# Altium PCB UHF Transceiver PCB.PcbDoc (part 5 of 5)
Units mil, origin at the board's own origin, x right, y up, seen from the top; angles counter-clockwise.
Board outline 3450 x 3675 mil, 4 copper layers (Component Side, GND, +3V3, Solder Side), stack 61.849 mil thick; 297 components, 243 nets, 1002 pads, 800 vias.
Unrouted connection lines stored in the file: 203.
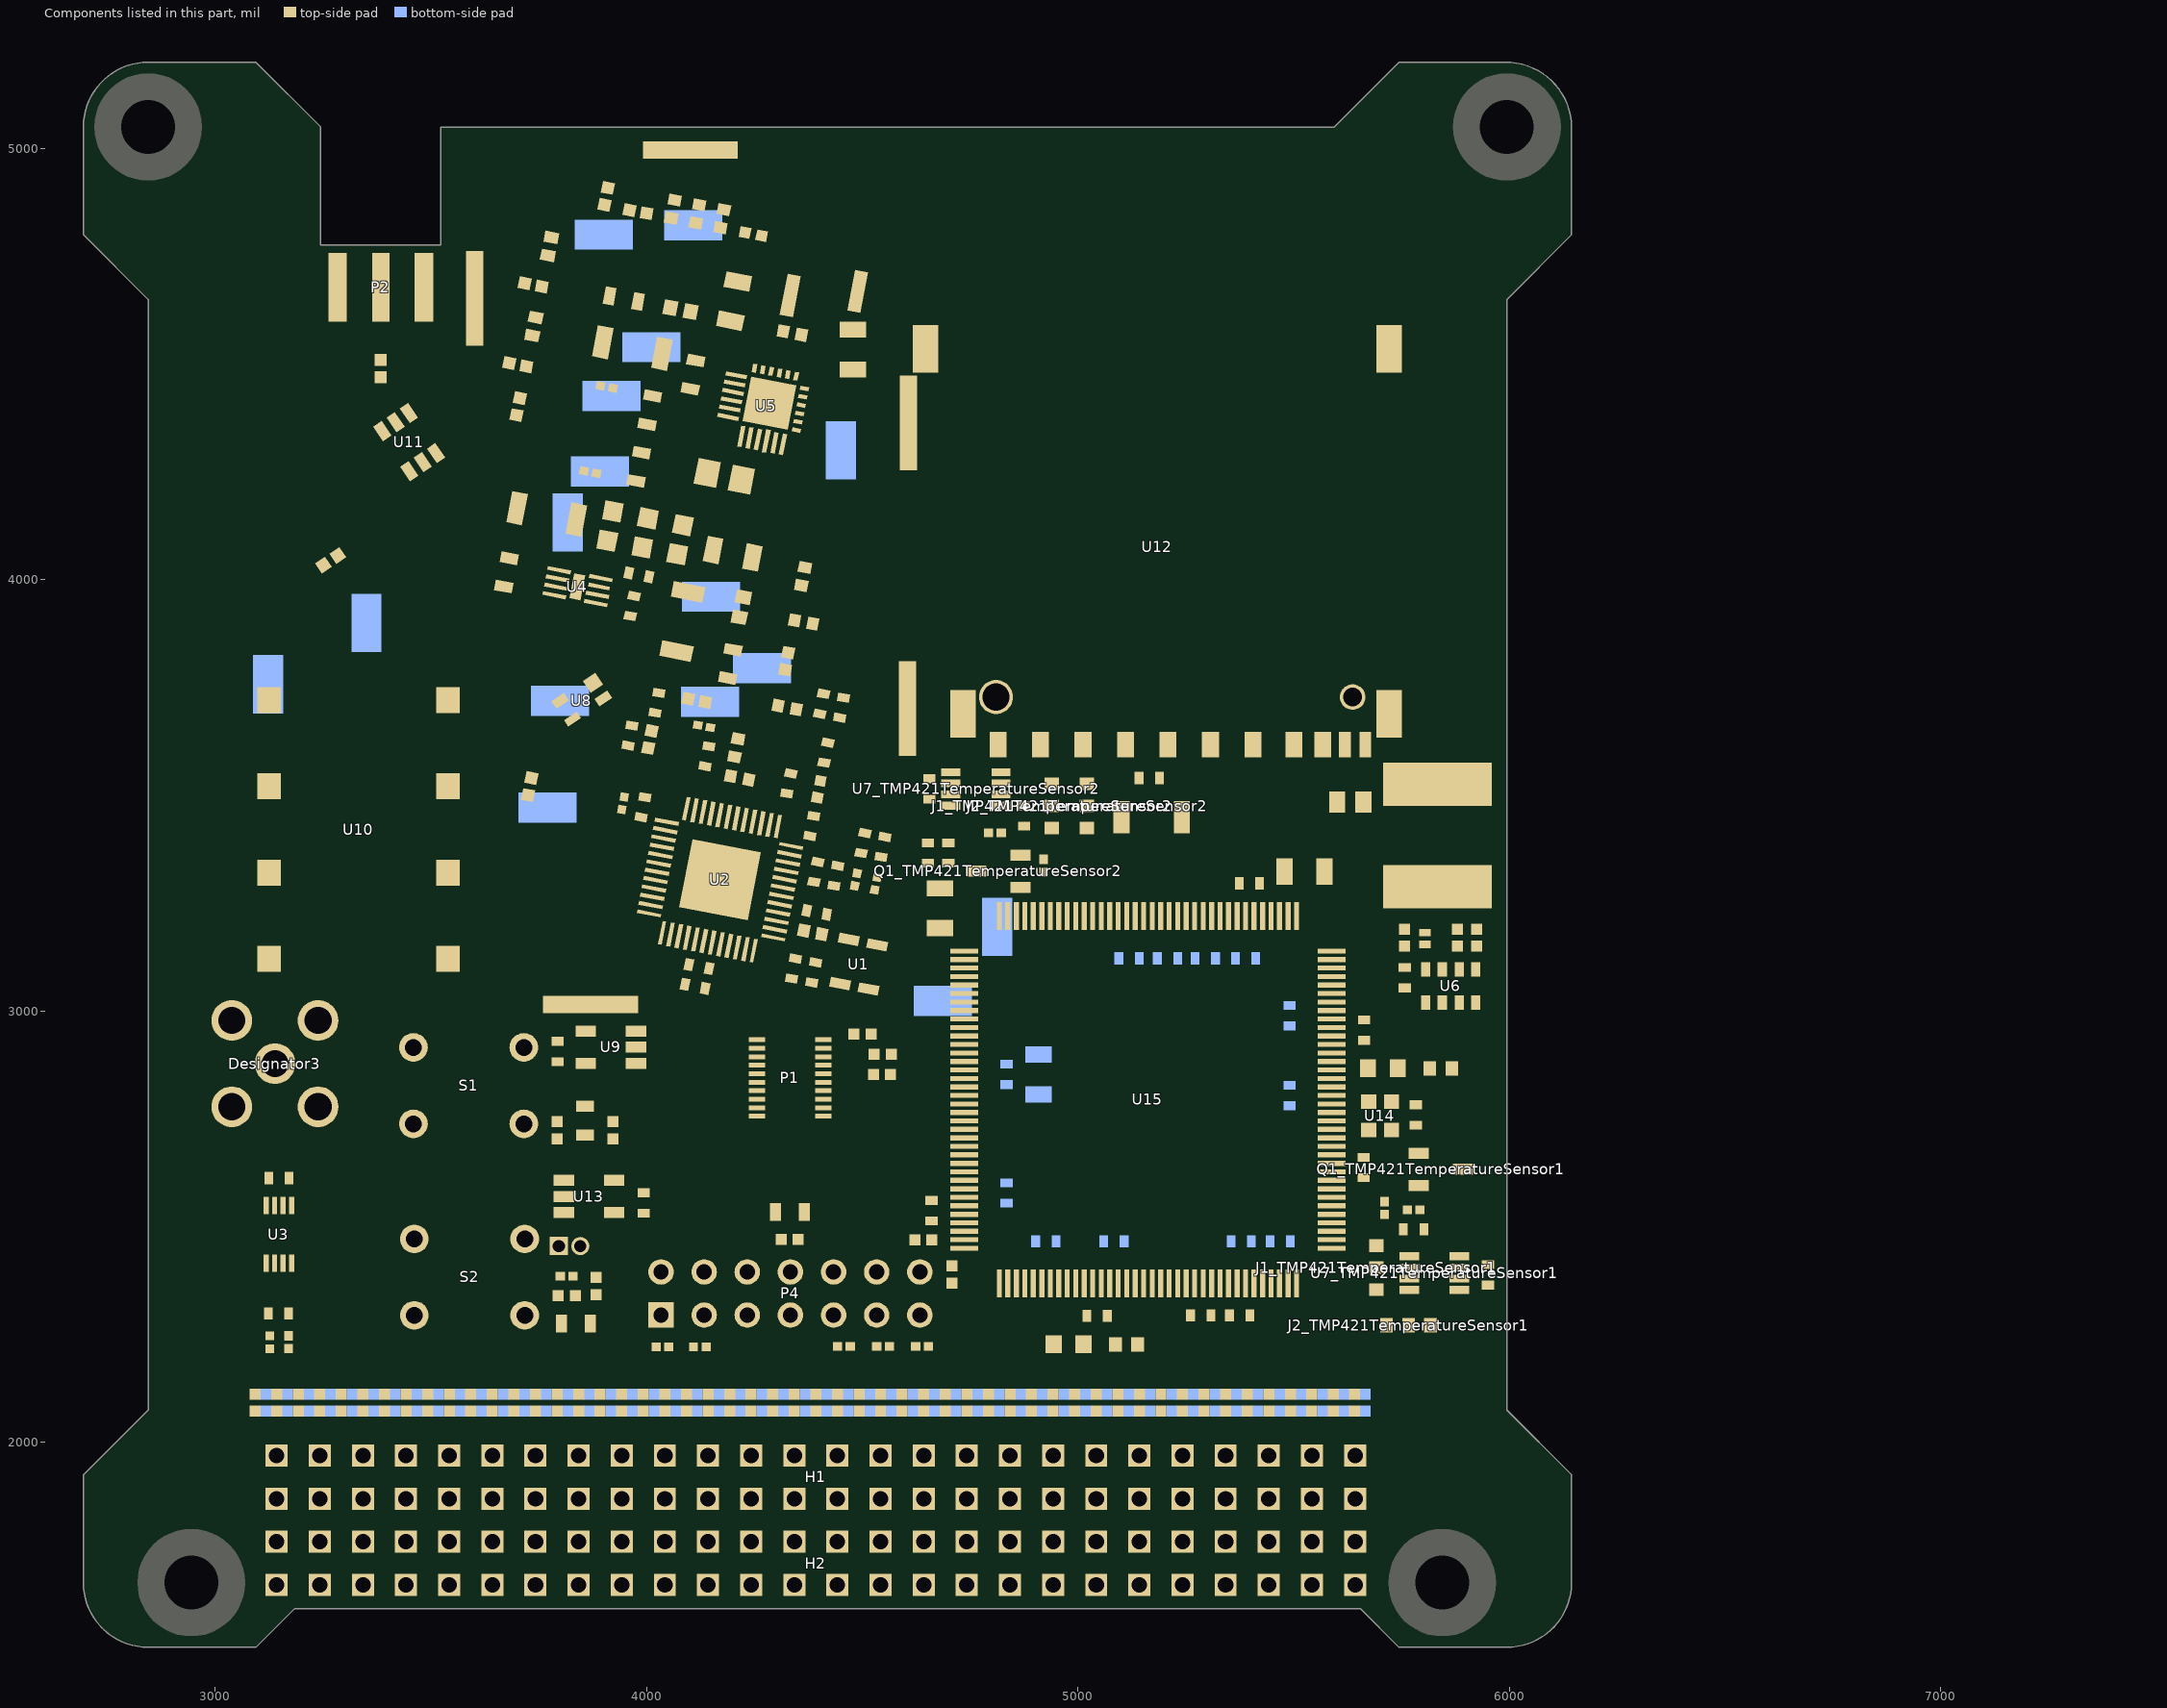
[diagram p7: the components of this part, seen from the top]

## Other copper (continued)
Solder Side:
  region net GND: 5515.43,2445.64 5515.43,2516.79 5480.43,2516.79 5480.43,2446.64 5481.43,2445.64
  region net +1V2: 5463.77,2446.22 5463.77,2517 5428.77,2517 5428.77,2447.22 5429.77,2446.22
  region net GND: 5418.97,2446.21 5418.97,2517 5383.97,2517 5383.97,2447.21 5384.97,2446.21
  region net +1V2: 5371.72,2446.21 5371.72,2517 5336.72,2517 5336.72,2447.21 5337.72,2446.21
  region net +1V2: 5123.75,2446 5123.75,2516.79 5088.75,2516.79 5088.75,2447 5089.75,2446
  region net GND: 5076.72,2446.22 5076.72,2517 5041.72,2517 5041.72,2447.22 5042.72,2446.22
  region net +1V2: 4918.72,2446.21 4918.72,2513 4883.72,2513 4883.72,2447.21 4884.72,2446.21
  region net +1V2: 4814.21,2584.28 4882.21,2584.28 4882.21,2619.28 4815.21,2619.28 4814.21,2618.28
  region net GND: 4814.43,2540 4878,2540 4878,2571.82 4815.43,2571.82 4814.43,2570.82
  region net GND: 4965.97,2446.21 4965.97,2517 4930.97,2517 4930.97,2447.21 4931.97,2446.21
  region net GND: 4859.79,2826.37 4859.79,2753 4971,2753 4971,2826.37
  region net +1V2: 4859.79,2880 4859.79,2953 4971,2953 4971,2880
  region net GND: 4888.21,2789.4 4956.21,2789.4 4956.21,2824.4 4889.21,2824.4 4888.21,2823.4
  region net GND: 4853.79,2846.72 4785.79,2846.72 4785.79,2811.72 4852.79,2811.72 4853.79,2812.72
  region net +1V2: 4853.79,2893.97 4785.79,2893.97 4785.79,2858.97 4852.79,2858.97 4853.79,2859.97
  region net +1V2: 4927.79,2916.6 4859.79,2916.6 4859.79,2881.6 4926.79,2881.6 4927.79,2882.6
  region net GND: 4927.79,2824.08 4859.79,2824.08 4859.79,2789.08 4926.79,2789.08 4927.79,2790.08
  region net GND: 4814.21,2812.03 4882.21,2812.03 4882.21,2847.03 4815.21,2847.03 4814.21,2846.03
  region net +1V2: 4814.21,2859.28 4882.21,2859.28 4882.21,2894.28 4815.21,2894.28 4814.21,2893.28
  region net +1V2: 5077.03,3141.79 5077.03,3073.79 5112.03,3073.79 5112.03,3140.79 5111.03,3141.79
  region net GND: 5124.28,3141.79 5124.28,3073.79 5159.28,3073.79 5159.28,3140.79 5158.28,3141.79
  region net GND: 5166.03,3141.79 5166.03,3073.79 5201.03,3073.79 5201.03,3140.79 5200.03,3141.79
  region net +1V2: 5212.97,3142.1 5212.97,3074.1 5247.97,3074.1 5247.97,3141.1 5246.97,3142.1
  region net +1V2: 5254.03,3141.79 5254.03,3073.79 5289.03,3073.79 5289.03,3140.79 5288.03,3141.79
  region net GND: 5301.28,3141.79 5301.28,3073.79 5336.28,3073.79 5336.28,3140.79 5335.28,3141.79
  region net +1V2: 5347.03,3141.79 5347.03,3073.79 5382.03,3073.79 5382.03,3140.79 5381.03,3141.79
  region net GND: 5394.28,3141.79 5394.28,3073.79 5429.28,3073.79 5429.28,3140.79 5428.28,3141.79
  region net +1V2: 5509.79,3029.97 5441.79,3029.97 5441.79,2994.97 5508.79,2994.97 5509.79,2995.97
  region net GND: 5509.16,2983.34 5441.16,2983.34 5441.16,2948.34 5508.16,2948.34 5509.16,2949.34
  region net +1V2: 5510,2797.56 5442,2797.56 5442,2762.56 5509,2762.56 5510,2763.56
  region net GND: 5510,2844.8 5442,2844.8 5442,2809.8 5509,2809.8 5510,2810.8

## Silkscreen, mask and mechanical layers (free items; w line width, h text height)
Top Overlay:
  lines w5: 3068.3,2135.06 3068.3,2175.06 ; 3316.92,2135.06 3316.92,2175.06 ; 3566.92,2135.06 3566.92,2175.06 ; 3816.92,2135.06 3816.92,2175.06 ; 4066.92,2135.06 4066.92,2175.06 ; 4316.92,2135.06 4316.92,2175.06 ; 4566.92,2135.06 4566.92,2175.06 ; 4816.92,2135.06 4816.92,2175.06 ; 5066.92,2135.06 5066.92,2175.06 ; 5316.92,2135.06 5316.92,2175.06 ; 5566.92,2135.06 5566.92,2175.06
  lines w10: 3603.97,3016.21 3603.97,4984.71 4603.97,4984.71 4603.97,3016.21 3603.97,3016.21
  text "1" at 3088.63,2144.95 h23
  text "2" at 3135.63,2144.95 h23
  text "3" at 3184.92,2144.95 h23
  text "4" at 3236.92,2144.95 h23
  text "5" at 3284.92,2144.95 h23
  text "1" at 3538.63,2144.95 h23
  text "2" at 4035.63,2144.95 h23
  text "3" at 4534.92,2144.95 h23
  text "4" at 5036.92,2144.95 h23
  text "5" at 5534.92,2144.95 h23
  text "H1" at 3027.01,2079.65 h23
Bottom Overlay:
  drawing of 1860 lines, arcs and shapes, not listed
  text "AlbertaSat UHF Transciever" at 5396.57,4380.39 h50
  text "2020-05-04 V1.00" at 5396.8,4340.81 h40
  text "Stefan Damkjar, Erik Halliwell," at 5396.8,4305.81 h40
  text "Chu Qiao, Clayton Coutu" at 5396.41,4270.38 h40
Top Solder:
  drawing of 3 lines, arcs and shapes, not listed
Drill Guide:
  lines w5: 3120.03,4066.76 ccw(c3243.45,3883.78) 3022.74,3883.78 3022.74,3720.78 3022.74,3680.78 ccw(c3082.74,3680.78) 3082.74,3620.78 3162.74,3620.78 ccw(c3162.74,3680.78) 3222.74,3680.78 3222.74,3720.78 3224.16,3884.07 cw(c3244.88,3884.07) 3233.29,3901.24 3569.53,4128.04 3721.53,4230.56 ccw(c3628.41,4368.61) 3791.87,4336.84 3872.66,4752.45 cw(c3892.29,4748.63) 3896.11,4768.26 4217.29,4705.83 cw(c4213.47,4686.2) 4233.1,4682.38 4230.92,4671.12 cw(c4226.24,4647.08) 4250.29,4642.41 4236.26,4570.27 cw(c4224.27,4572.6) 4221.94,4560.61 4213.95,4562.16 ccw(c4211.87,4551.46) 4201.17,4553.54 4194.53,4519.4 ccw(c4205.64,4517.24) 4203.48,4506.13 4209.35,4504.99 4245.32,4498 4242.09,4481.37 4350.07,4460.38 4384.99,4453.6 4360.9,4329.65 4314.77,4338.62 4294.3,4233.32 ccw(c4323.85,4227.58) 4298.9,4210.75 4304.27,4202.79 cw(c4283.21,4188.58) 4308.14,4183.74 4264.54,3959.43 4232.34,3793.75 cw(c4222.81,3795.6) 4220.95,3786.07 4055.64,3818.21 3880.8,3852.19 ccw(c3857.77,3733.7) 3790.27,3833.77 3723.95,3789.04 ccw(c3808.44,3663.77) 3660.12,3692.6 3648.71,3633.91 ; 3120.03,4066.76 ccw(c3120.03,4066.76) 3120.03,4066.76 ; 3120.03,4066.76 3195.49,4117.66 ; 3195.49,4117.66 ccw(c3195.49,4117.66) 3195.49,4117.66 ; 3195.49,4117.66 3349.38,4221.46 3319.68,4265.49 cw(c3402.59,4321.41) 3307.1,4351.12 cw(c3436.52,4433.32) 3283.21,4433.32 3283.21,4580.76 3483.2,4580.76 3483.2,4461.49 cw(c3464.6,4363.24) 3547.5,4419.16 3577.41,4375.27 ccw(c3543.34,4425.79) 3603.16,4414.17 3686.9,4844.95 cw(c3848.51,4813.54) 3879.92,4975.15 4347.83,4884.2 cw(c4323.4,4758.49) 4449.11,4734.05 4407.74,4521.24 ; 3648.71,3633.91 ccw(c3648.71,3633.91) 3648.71,3633.91 ; 3648.71,3633.91 3573.19,3245.14 cw(c3543.64,3250.88) 3543.64,3220.78 3537.74,3220.78 3497.74,3220.78 ccw(c3497.74,3160.78) 3437.74,3160.78 3437.74,3080.78 ccw(c3497.74,3080.78) 3497.74,3020.78 3537.74,3020.78 3609.62,3020.78 ccw(c3609.62,3170.78) 3756.87,3142.16 3850.79,3625.34 cw(c3873.04,3621.01) 3860.36,3639.81 3975.89,3717.73 cw(c3986.95,3701.32) 3990.73,3720.75 4209.87,3678.15 4233.11,3673.64 cw(c4229.49,3655.01) 4248.11,3651.39 4223.41,3524.32 ; 4223.41,3524.32 ccw(c4223.41,3524.32) 4223.41,3524.32 ; 4223.41,3524.32 4210.33,3482.65 4260.15,3472.96 cw(c4302.73,3464.69) 4278.47,3500.64 4293.74,3510.94 ccw(c4259.89,3561.12) 4319.31,3549.57 ; 4319.31,3549.57 ccw(c4319.31,3549.57) 4319.31,3549.57 ; 4319.31,3549.57 4365.96,3540.5 ccw(c4367.4,3547.91) 4374.8,3546.47 4484.73,4111.97 ccw(c4326.87,4142.66) 4460.23,4232.52 4402.09,4318.72 cw(c4427.34,4335.75) 4397.44,4341.57 4417.97,4447.19 4422.74,4471.72 ccw(c4397.27,4476.67) 4418.78,4491.19 4411.73,4501.64 cw(c4433.4,4516.25) 4407.74,4521.24 ; 4407.74,4521.24 4407.74,4521.24
Mechanical 13:
  lines w5: 3872.73,4095.4 4018.32,4067.1 ; 3609.62,3170.78 ccw(c3609.62,3170.78) 3609.62,3170.78 ; 4129.2,3666.87 ccw(c4129.2,3666.88) 4129.2,3666.87 ; 4400.09,4743.58 ccw(c4400.09,4743.58) 4400.09,4743.58
Mechanical 15:
  lines w5: 4603.97,4984.71 4604.2,3392.46
Drill Drawing:
  drawing of 195 lines, arcs and shapes, not listed

## Text inside footprints (layer, text, board x,y; h text height)
P4: Top Overlay "1" at 3943,2266 h50
U12: Drill Drawing "Prohibited Area" at 5598.6,4157.68 h39.37 r180